# Altium PCB GE21_M1_pku_f100.PcbDoc (part 6 of 19)
Units mm, origin at the board's own origin, x right, y up, seen from the top; angles counter-clockwise.
Board outline 423.9 x 668.59 mm, 8 copper layers (Top Layer, Signal 1, DGNG1, POWER, AGND, DGND2, Signal 2, Bottom Layer), stack 1.03 mm thick; 171 components, 336 nets, 2040 pads, 4872 vias.
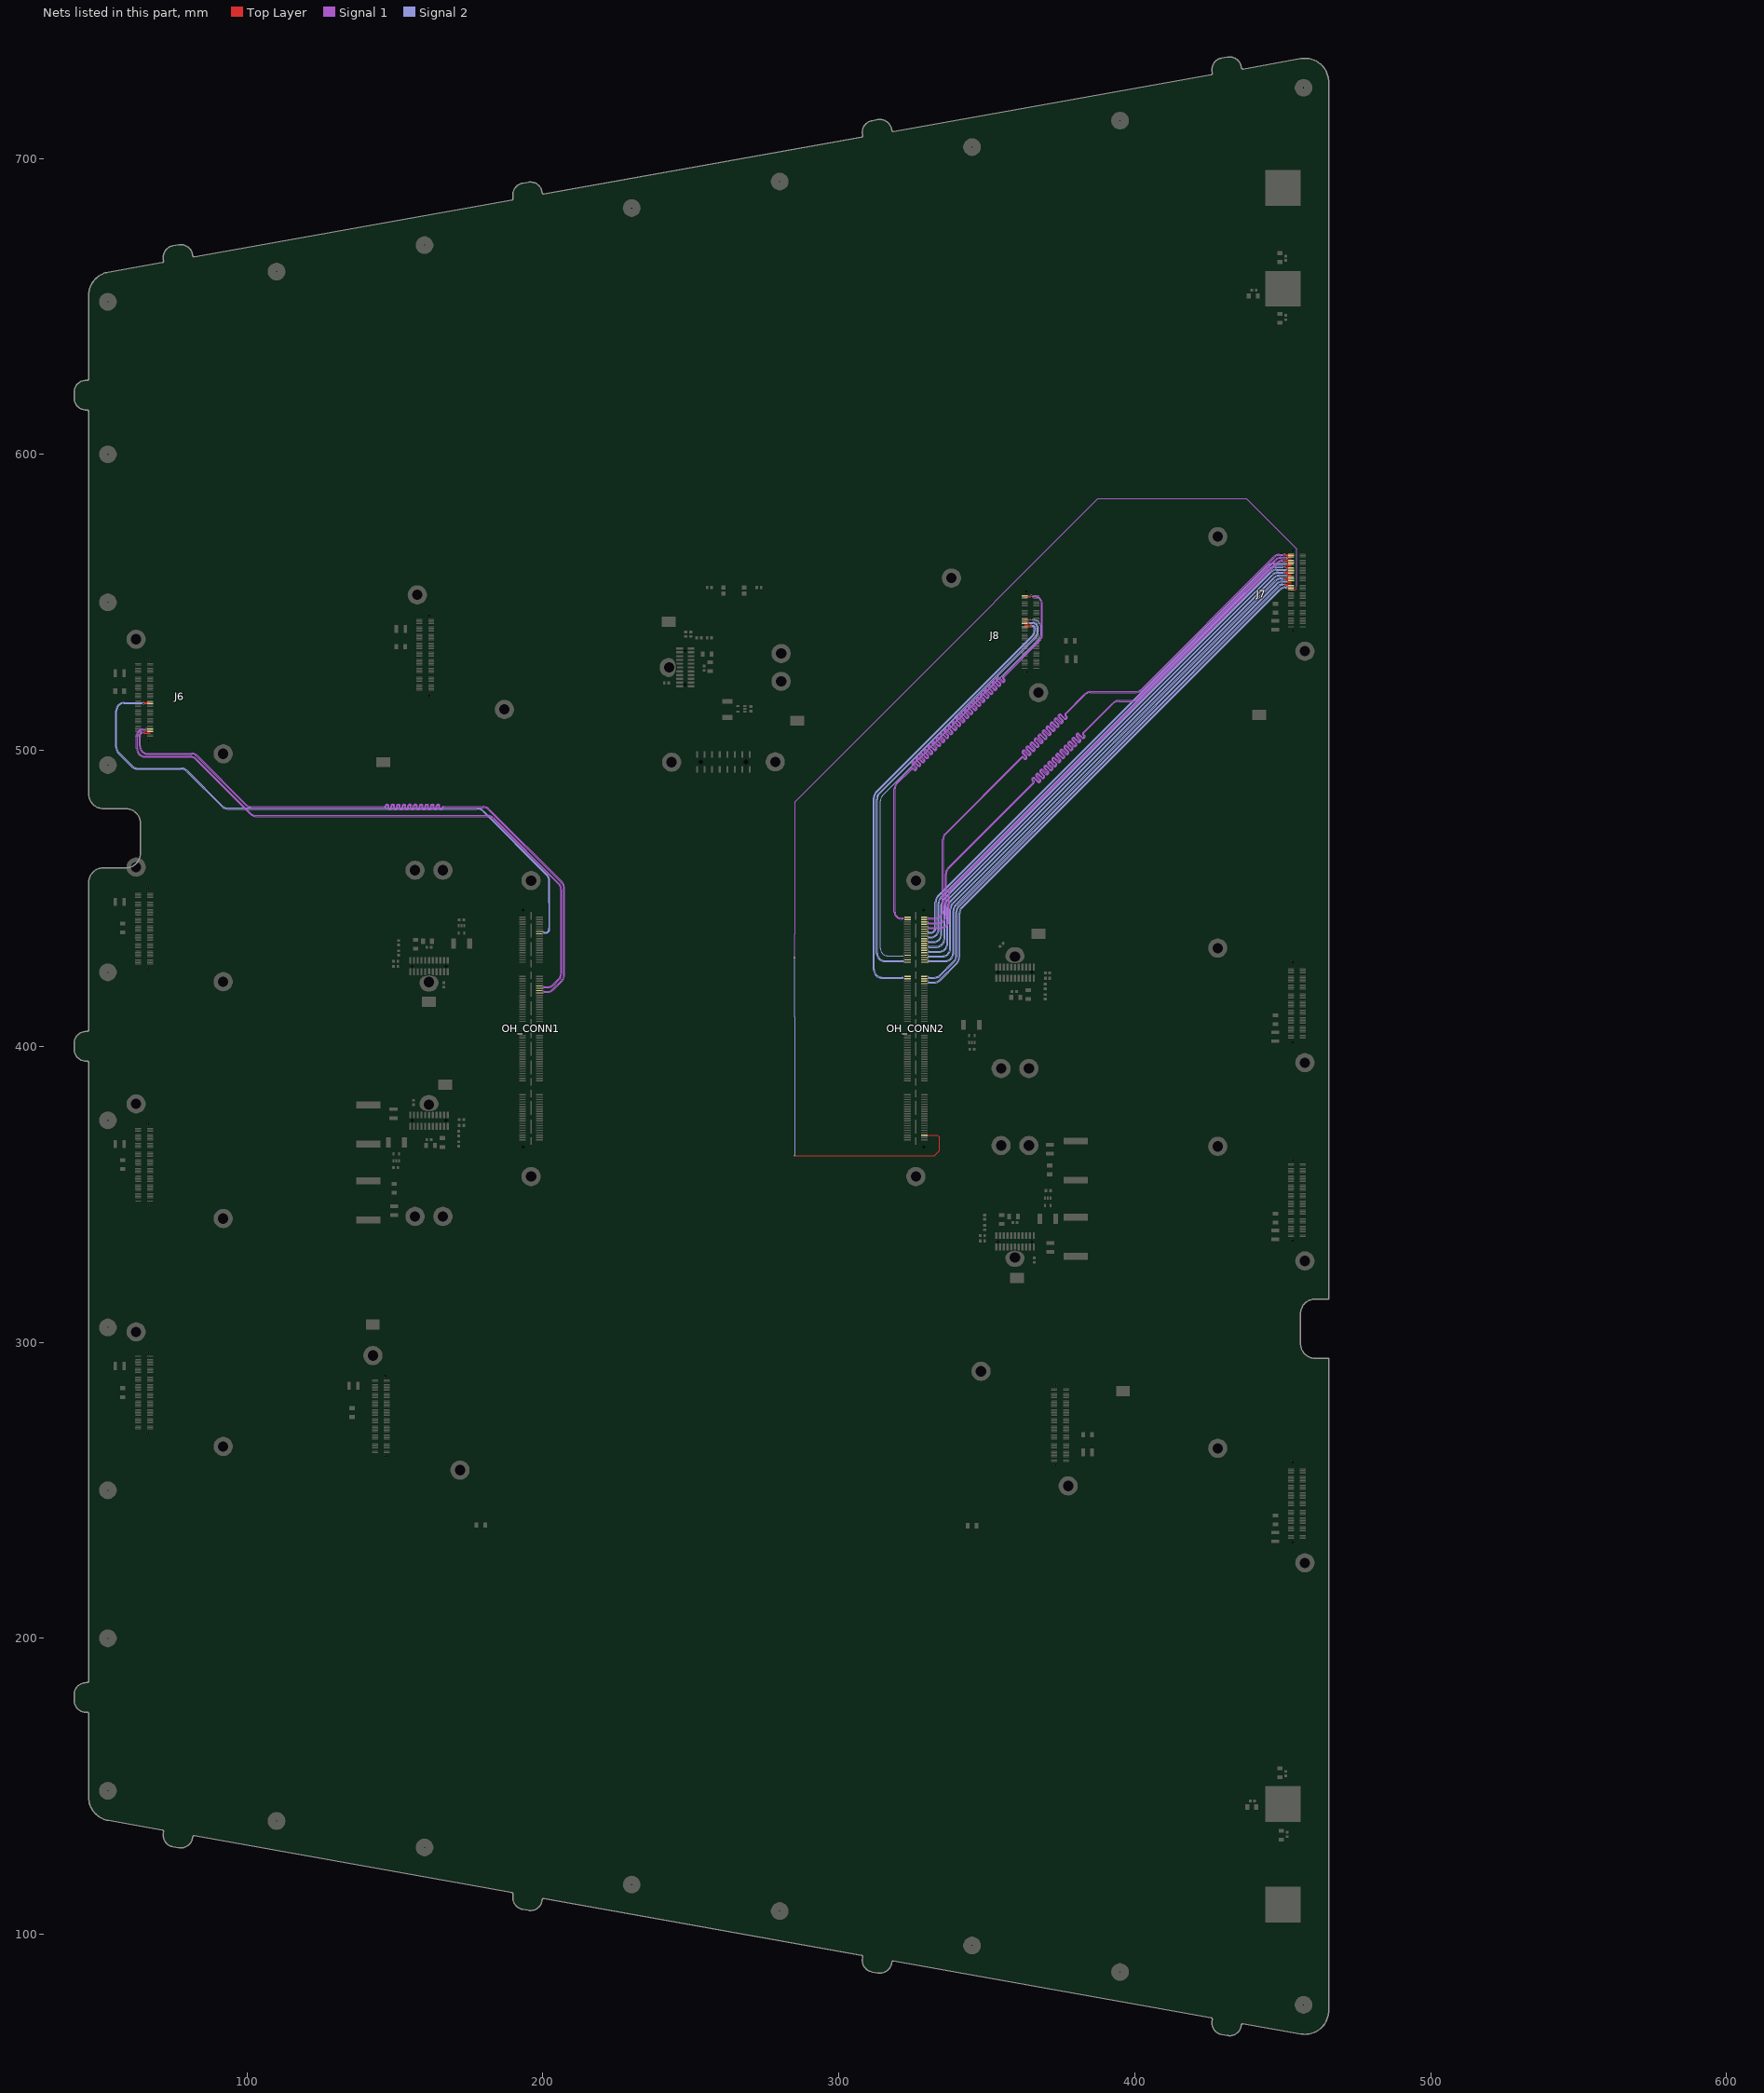
[diagram p12: the nets of this part, all layers, seen from the top]

## Via types
v1: diameter 0.508, hole 0.203, Top Layer to Bottom Layer, tented both sides, 1688 vias
v2: diameter 0.402/0.402/0.402/0.201 (per signal layer), hole 0.201, Top Layer to Bottom Layer, tented both sides, 1040 vias
v3: diameter 0.507, hole 0.202, Top Layer to Bottom Layer, tented both sides, 780 vias
v4: diameter 0.4, hole 0, Top Layer to Bottom Layer, tented both sides, 438 vias
v5: diameter 0.4, hole 0.2, Top Layer to Bottom Layer, tented both sides, 288 vias
v6: diameter 0.51, hole 0.204, Top Layer to Bottom Layer, tented both sides, 288 vias
v7: diameter 0.6/0.4/0.4/0.4 (per signal layer), hole 0.3, Top Layer to Bottom Layer, tented both sides, 254 vias
v8: diameter 0.402, hole 0.201, Top Layer to Bottom Layer, tented both sides, 96 vias

## Nets (pads, with @x,y where several pads share a name; then routed paths per layer and width w, separated by ;. In a path a pad name is that pad's centre, name@x,y a point inside that pad or via, vN(x,y) a via of type N, cw(c..) or ccw(c..) an arc to the next point about the centre after c; other vN are vias at no path point) (continued)
J6RXD_N: J6.96 OH_CONN1.55 | length 234.6
  Top Layer w0.115: v4@65,505.7 cw(c65.302,505.398) 65.302,505.825 66.125,505.825 66.2,505.75 J6.96@67.25,505.75
  Signal 1 w0.115: v4@65,505.7 ccw(c64.698,505.398) 64.698,505.825 64.5,505.825 ccw(c64.5,505.325) 64,505.325 64,501.5 ccw(c66.5,501.5) 66.5,499 81.298,499 cw(c81.298,496.11) 83.341,498.154 99.751,481.744 ccw(c101.547,483.54) 101.547,481 146.482,481 ccw(c146.482,481.204) 146.686,481.204 cw(c147.244,481.204) 147.244,481.762 147.436,481.762 cw(c147.436,481.204) 147.994,481.204 147.994,480.446 ccw(c148.202,480.446) 148.202,480.238 148.394,480.238 ccw(c148.394,480.446) 148.602,480.446 148.602,481.204 cw(c149.16,481.204) 149.16,481.762 149.352,481.762 cw(c149.352,481.204) 149.91,481.204 149.91,480.446 ccw(c150.118,480.446) 150.118,480.238 150.31,480.238 ccw(c150.31,480.446) 150.518,480.446 150.518,481.204 cw(c151.076,481.204) 151.076,481.762 151.268,481.762 cw(c151.268,481.204) 151.826,481.204 151.826,480.446 ccw(c152.034,480.446) 152.034,480.238 152.226,480.238 ccw(c152.226,480.446) 152.434,480.446 152.434,481.204 cw(c152.992,481.204) 152.992,481.762 153.184,481.762 cw(c153.184,481.204) 153.742,481.204 153.742,480.446 ccw(c153.95,480.446) 153.95,480.238 154.142,480.238 ccw(c154.142,480.446) 154.35,480.446 154.35,481.204 cw(c154.908,481.204) 154.908,481.762 155.1,481.762 cw(c155.1,481.204) 155.658,481.204 155.658,480.446 ccw(c155.866,480.446) 155.866,480.238 156.058,480.238 ccw(c156.058,480.446) 156.266,480.446 156.266,481.204 cw(c156.824,481.204) 156.824,481.762 157.016,481.762 cw(c157.016,481.204) 157.574,481.204 157.574,480.446 ccw(c157.782,480.446) 157.782,480.238 157.974,480.238 ccw(c157.974,480.446) 158.182,480.446 158.182,481.204 cw(c158.74,481.204) 158.74,481.762 158.932,481.762 cw(c158.932,481.204) 159.49,481.204 159.49,480.446 ccw(c159.698,480.446) 159.698,480.238 159.89,480.238 ccw(c159.89,480.446) 160.098,480.446 160.098,481.204 cw(c160.656,481.204) 160.656,481.762 160.848,481.762 cw(c160.848,481.204) 161.406,481.204 161.406,480.446 ccw(c161.614,480.446) 161.614,480.238 161.806,480.238 ccw(c161.806,480.446) 162.014,480.446 162.014,481.204 cw(c162.572,481.204) 162.572,481.762 162.764,481.762 cw(c162.764,481.204) 163.322,481.204 163.322,480.446 ccw(c163.53,480.446) 163.53,480.238 163.722,480.238 ccw(c163.722,480.446) 163.93,480.446 163.93,481.204 cw(c164.488,481.204) 164.488,481.762 164.68,481.762 cw(c164.68,481.204) 165.238,481.204 165.238,480.446 ccw(c165.446,480.446) 165.446,480.238 165.638,480.238 ccw(c165.638,480.446) 165.846,480.446 cw(c166.4,480.446) 166.4,481 179.798,481 cw(c179.798,478.11) 181.841,480.154 206.504,455.491 cw(c204.46,453.448) 207.35,453.448 207.35,424.052 cw(c204.46,424.052) 206.504,422.009 203.566,419.071 cw(c201.523,421.115) 201.523,418.225 200.543,418.225 ccw(c200.543,417.457) v6(200,418)
  other v4: 64.93,505.7 65.07,505.7
  other v5: 65,505.7
J6RXD_P: J6.94 OH_CONN1.53 | length 234.6
  Top Layer w0.115: v5(65,506.3) ccw(c65.302,506.602) 65.302,506.175 66.125,506.175 66.2,506.25 J6.94@67.25,506.25
  Signal 1 w0.115: v4@65,506.3 cw(c64.698,506.602) 64.698,506.175 64.5,506.175 ccw(c64.5,505.325) 63.65,505.325 63.65,501.5 ccw(c66.5,501.5) 66.5,498.65 81.298,498.65 cw(c81.298,496.11) 83.094,497.906 99.504,481.496 ccw(c101.547,483.54) 101.547,480.65 146.482,480.65 ccw(c146.482,481.204) 147.036,481.204 cw(c147.244,481.204) 147.244,481.412 147.436,481.412 cw(c147.436,481.204) 147.644,481.204 147.644,480.446 ccw(c148.202,480.446) 148.202,479.888 148.394,479.888 ccw(c148.394,480.446) 148.952,480.446 148.952,481.204 cw(c149.16,481.204) 149.16,481.412 149.352,481.412 cw(c149.352,481.204) 149.56,481.204 149.56,480.446 ccw(c150.118,480.446) 150.118,479.888 150.31,479.888 ccw(c150.31,480.446) 150.868,480.446 150.868,481.204 cw(c151.076,481.204) 151.076,481.412 151.268,481.412 cw(c151.268,481.204) 151.476,481.204 151.476,480.446 ccw(c152.034,480.446) 152.034,479.888 152.226,479.888 ccw(c152.226,480.446) 152.784,480.446 152.784,481.204 cw(c152.992,481.204) 152.992,481.412 153.184,481.412 cw(c153.184,481.204) 153.392,481.204 153.392,480.446 ccw(c153.95,480.446) 153.95,479.888 154.142,479.888 ccw(c154.142,480.446) 154.7,480.446 154.7,481.204 cw(c154.908,481.204) 154.908,481.412 155.1,481.412 cw(c155.1,481.204) 155.308,481.204 155.308,480.446 ccw(c155.866,480.446) 155.866,479.888 156.058,479.888 ccw(c156.058,480.446) 156.616,480.446 156.616,481.204 cw(c156.824,481.204) 156.824,481.412 157.016,481.412 cw(c157.016,481.204) 157.224,481.204 157.224,480.446 ccw(c157.782,480.446) 157.782,479.888 157.974,479.888 ccw(c157.974,480.446) 158.532,480.446 158.532,481.204 cw(c158.74,481.204) 158.74,481.412 158.932,481.412 cw(c158.932,481.204) 159.14,481.204 159.14,480.446 ccw(c159.698,480.446) 159.698,479.888 159.89,479.888 ccw(c159.89,480.446) 160.448,480.446 160.448,481.204 cw(c160.656,481.204) 160.656,481.412 160.848,481.412 cw(c160.848,481.204) 161.056,481.204 161.056,480.446 ccw(c161.614,480.446) 161.614,479.888 161.806,479.888 ccw(c161.806,480.446) 162.364,480.446 162.364,481.204 cw(c162.572,481.204) 162.572,481.412 162.764,481.412 cw(c162.764,481.204) 162.972,481.204 162.972,480.446 ccw(c163.53,480.446) 163.53,479.888 163.722,479.888 ccw(c163.722,480.446) 164.28,480.446 164.28,481.204 cw(c164.488,481.204) 164.488,481.412 164.68,481.412 cw(c164.68,481.204) 164.888,481.204 164.888,480.446 ccw(c165.446,480.446) 165.446,479.888 165.638,479.888 ccw(c165.638,480.446) 166.196,480.446 cw(c166.4,480.446) 166.4,480.65 179.798,480.65 cw(c179.798,478.11) 181.594,479.906 206.256,455.244 cw(c204.46,453.448) 207,453.448 207,424.052 cw(c204.46,424.052) 206.256,422.256 203.319,419.319 cw(c201.523,421.115) 201.523,418.575 200.543,418.575 cw(c200.543,419.343) v6(200,418.8)
  other v4: 64.93,506.3 65.07,506.3
J6Strobe_N: J6.56 OH_CONN1.15 | length 210.2
  Top Layer w0.115: v5(65,515.7) cw(c65.302,515.398) 65.302,515.825 66.125,515.825 66.2,515.75 J6.56@67.25,515.75
  Signal 2 w0.115: v5(65,515.7) ccw(c64.698,515.398) 64.698,515.825 58.54,515.825 ccw(c58.54,513.285) 56,513.285 56,501.052 ccw(c58.54,501.052) 56.744,499.256 61.256,494.744 ccw(c63.052,496.54) 63.052,494 77.803,494 cw(c77.803,491.11) 79.846,493.154 91.756,481.244 ccw(c93.552,483.04) 93.552,480.5 177.798,480.5 cw(c177.798,477.61) 179.841,479.654 201.504,457.991 cw(c199.46,455.948) 202.35,455.948 202.35,448.5 202.35,439.575 cw(c201,439.575) 201,438.225 200.543,438.225 ccw(c200.543,437.457) v6(200,438)
  other v4: 64.93,515.7 65.07,515.7
J6Strobe_P: J6.54 OH_CONN1.13 | length 210.2
  Top Layer w0.115: v5(65,516.3) ccw(c65.302,516.602) 65.302,516.175 66.125,516.175 66.2,516.25 J6.54@67.25,516.25
  Signal 2 w0.115: v5(65,516.3) cw(c64.698,516.602) 64.698,516.175 58.54,516.175 ccw(c58.54,513.285) 55.65,513.285 55.65,501.052 ccw(c58.54,501.052) 56.496,499.009 61.009,494.496 ccw(c63.052,496.54) 63.052,493.65 77.803,493.65 cw(c77.803,491.11) 79.599,492.906 91.509,480.996 ccw(c93.552,483.04) 93.552,480.15 177.798,480.15 cw(c177.798,477.61) 179.594,479.406 201.256,457.744 cw(c199.46,455.948) 202,455.948 202,448.5 202,440 202,439.575 cw(c201,439.575) 201,438.575 200.543,438.575 cw(c200.543,439.343) v6(200,438.8)
  other v4: 64.93,516.3 65.07,516.3
J6TXD_N: J6.92 OH_CONN1.51 | length 210.7
  Top Layer w0.25: v5(66,506.7) 66.05,506.75 J6.92@67.25,506.75
  Signal 1 w0.115: v5(66,506.7) ccw(c65.698,506.398) 65.698,506.825 64.825,506.825 ccw(c64.825,505) 63,505 63,500.54 ccw(c65.54,500.54) 65.54,498 80.798,498 cw(c80.798,495.11) 82.841,497.154 101.251,478.744 ccw(c103.047,480.54) 103.047,478 181.298,478 cw(c181.298,475.11) 183.341,477.154 ; 183.341,477.154 205.504,454.991 cw(c203.46,452.948) 206.35,452.948 206.35,424.552 cw(c203.46,424.552) 205.504,422.509 203.666,420.671 cw(c201.623,422.715) 201.623,419.825 200.543,419.825 ccw(c200.543,419.057) v6(200,419.6)
  other v4: 65.93,506.7
J6TXD_P: J6.90 OH_CONN1.49 | length 210.7
  Top Layer w0.25: v5(66,507.3) 66.05,507.25 J6.90@67.25,507.25
  Signal 1 w0.115: v5(66,507.3) cw(c65.698,507.602) 65.698,507.175 64.825,507.175 ccw(c64.825,505) 62.65,505 62.65,500.54 ccw(c65.54,500.54) 65.54,497.65 80.798,497.65 cw(c80.798,495.11) 82.594,496.906 101.004,478.496 ccw(c103.047,480.54) 103.047,477.65 181.298,477.65 cw(c181.298,475.11) 183.094,476.906 205.256,454.744 cw(c203.46,452.948) 206,452.948 206,424.552 cw(c203.46,424.552) 205.256,422.756 203.419,420.919 cw(c201.623,422.715) 201.623,420.175 200.543,420.175 cw(c200.543,420.943) v6(200,420.4)
  other v4: 65.93,507.3
J7CLK_N: J7.100 OH_CONN2.160 | length 234.5
  Top Layer w0.115: v5(450.5,566.3) ccw(c450.802,566.602) 450.802,566.175 451.625,566.175 451.7,566.25 J7.100@452.75,566.25
  Signal 1 w0.115: v6(330,443.6) ccw(c330.543,444.143) 330.543,443.375 332.46,443.375 ccw(c332.46,445.915) 335,445.915 335,469.798 cw(c337.89,469.798) 335.846,471.841 361.667,497.662 cw(c362.062,497.268) 362.457,497.662 362.813,497.306 ccw(c362.96,497.453) 363.107,497.306 363.243,497.442 ccw(c363.095,497.589) 363.304,497.589 ccw(c363.095,497.589) 363.243,497.736 361.989,498.99 cw(c362.383,499.385) 361.989,499.78 362.124,499.915 cw(c362.519,499.52) 362.913,499.915 364.168,498.661 ccw(c364.315,498.808) 364.462,498.661 ; 364.462,498.661 364.598,498.796 ccw(c364.45,498.944) 364.659,498.944 ccw(c364.45,498.944) 364.598,499.091 363.343,500.345 cw(c363.738,500.74) 363.343,501.134 363.479,501.27 cw(c363.874,500.875) 364.268,501.27 365.522,500.016 ccw(c365.67,500.163) 365.817,500.016 365.952,500.151 ccw(c365.805,500.298) 366.013,500.298 ccw(c365.805,500.298) 365.952,500.446 364.698,501.7 cw(c365.093,502.095) 364.698,502.489 364.834,502.625 cw(c365.228,502.23) 365.623,502.625 366.877,501.371 ccw(c367.024,501.518) 367.172,501.371 367.307,501.506 ccw(c367.16,501.653) 367.368,501.653 ccw(c367.16,501.653) 367.307,501.801 366.053,503.055 cw(c366.448,503.449) 366.053,503.844 366.188,503.979 cw(c366.583,503.585) 366.978,503.98 368.232,502.725 ccw(c368.379,502.873) 368.527,502.725 368.662,502.861 ccw(c368.515,503.008) 368.723,503.008 ccw(c368.515,503.008) 368.662,503.155 367.408,504.409 cw(c367.803,504.804) 367.408,505.199 367.543,505.334 cw(c367.938,504.94) 368.333,505.334 369.587,504.08 ccw(c369.734,504.227) 369.881,504.08 370.017,504.216 ccw(c369.87,504.363) 370.078,504.363 ccw(c369.87,504.363) 370.017,504.51 368.763,505.764 cw(c369.157,506.159) 368.763,506.554 368.898,506.689 cw(c369.293,506.294) 369.688,506.689 370.942,505.435 ccw(c371.089,505.582) 371.236,505.435 371.372,505.571 ccw(c371.224,505.718) 371.433,505.718 ccw(c371.224,505.718) 371.372,505.865 370.117,507.119 cw(c370.512,507.514) 370.117,507.909 370.253,508.044 cw(c370.648,507.649) 371.042,508.044 372.297,506.79 ccw(c372.444,506.937) 372.591,506.79 372.726,506.925 ccw(c372.579,507.073) 372.787,507.073 ccw(c372.579,507.073) 372.726,507.22 371.472,508.474 cw(c371.867,508.869) 371.472,509.263 371.608,509.399 cw(c372.002,509.004) 372.397,509.399 373.651,508.145 ccw(c373.799,508.292) 373.946,508.145 374.081,508.28 ccw(c373.934,508.427) 374.142,508.427 ccw(c373.934,508.427) 374.081,508.575 372.827,509.829 cw(c373.222,510.223) 372.827,510.618 372.963,510.754 cw(c373.357,510.359) 373.752,510.754 375.006,509.499 ccw(c375.153,509.647) 375.301,509.499 375.436,509.635 ccw(c375.289,509.782) 375.497,509.782 ccw(c375.289,509.782) 375.436,509.929 374.182,511.184 cw(c374.577,511.578) 374.182,511.973 374.317,512.108 cw(c374.712,511.714) 375.107,512.108 376.361,510.854 ccw(c376.508,511.002) 376.655,510.854 376.791,510.99 ccw(c376.644,511.137) 376.852,511.137 ccw(c376.644,511.137) 376.791,511.284 376.435,511.64 cw(c376.829,512.035) 376.435,512.43 383.009,519.004 cw(c385.052,516.96) 385.052,519.85 400.303,519.85 ccw(c400.303,522.39) 400.928,519.928 ccw(c400.303,522.39) 402.099,520.594 446.834,565.329 cw(c448.877,563.285) 448.877,566.175 450.198,566.175 ccw(c450.198,566.602) v5(450.5,566.3)
  other v4: 450.43,566.3 450.57,566.3
J7CLK_P: J7.98 OH_CONN2.158 | length 234.5
  Top Layer w0.115: v5(450.5,565.7) cw(c450.802,565.398) 450.802,565.825 451.625,565.825 451.7,565.75 J7.98@452.75,565.75
  Signal 1 w0.115: v6(330,442.8) cw(c330.543,442.257) 330.543,443.025 332.46,443.025 ccw(c332.46,445.915) 335.35,445.915 335.35,469.798 cw(c337.89,469.798) 336.094,471.594 361.915,497.415 cw(c362.062,497.268) 362.209,497.415 362.565,497.059 ccw(c362.96,497.453) 363.355,497.059 363.49,497.194 ccw(c363.095,497.589) 363.654,497.589 ccw(c363.095,497.589) 363.49,497.984 362.236,499.238 cw(c362.383,499.385) 362.236,499.532 362.372,499.668 cw(c362.519,499.52) 362.666,499.668 363.92,498.413 ccw(c364.315,498.808) 364.71,498.413 364.845,498.549 ccw(c364.45,498.944) 365.009,498.944 ccw(c364.45,498.944) 364.845,499.338 363.591,500.593 cw(c363.738,500.74) 363.591,500.887 363.726,501.022 cw(c363.874,500.875) 364.021,501.022 365.275,499.768 ccw(c365.67,500.163) 366.064,499.768 366.2,499.904 ccw(c365.805,500.298) 366.363,500.298 ccw(c365.805,500.298) 366.2,500.693 364.946,501.947 cw(c365.093,502.095) 364.946,502.242 365.081,502.377 cw(c365.228,502.23) 365.376,502.377 366.63,501.123 ccw(c367.024,501.518) 367.419,501.123 367.555,501.258 ccw(c367.16,501.653) 367.718,501.653 ccw(c367.16,501.653) 367.555,502.048 366.301,503.302 cw(c366.448,503.449) 366.301,503.597 366.436,503.732 cw(c366.583,503.585) 366.73,503.732 367.985,502.478 ccw(c368.379,502.873) 368.774,502.478 368.909,502.613 ccw(c368.515,503.008) 369.073,503.008 ccw(c368.515,503.008) 368.909,503.403 367.655,504.657 cw(c367.803,504.804) 367.655,504.951 367.791,505.087 cw(c367.938,504.94) 368.085,505.087 369.339,503.833 ccw(c369.734,504.227) 370.129,503.833 370.264,503.968 ccw(c369.87,504.363) 370.428,504.363 ccw(c369.87,504.363) 370.264,504.758 369.01,506.012 cw(c369.157,506.159) 369.01,506.306 369.146,506.442 cw(c369.293,506.294) 369.44,506.442 370.694,505.188 ccw(c371.089,505.582) 371.484,505.188 371.619,505.323 ccw(c371.224,505.718) 371.783,505.718 ccw(c371.224,505.718) 371.619,506.112 370.365,507.367 cw(c370.512,507.514) 370.365,507.661 370.5,507.797 cw(c370.648,507.649) 370.795,507.797 372.049,506.542 ccw(c372.444,506.937) 372.838,506.542 372.974,506.678 ccw(c372.579,507.073) 373.137,507.073 ccw(c372.579,507.073) 372.974,507.467 371.72,508.721 cw(c371.867,508.869) 371.72,509.016 371.855,509.151 cw(c372.002,509.004) 372.15,509.151 373.404,507.897 ccw(c373.799,508.292) 374.193,507.897 374.329,508.033 ccw(c373.934,508.427) 374.492,508.427 ccw(c373.934,508.427) 374.329,508.822 373.075,510.076 cw(c373.222,510.223) 373.075,510.371 373.21,510.506 cw(c373.357,510.359) 373.505,510.506 374.759,509.252 ccw(c375.153,509.647) 375.548,509.252 375.684,509.387 ccw(c375.289,509.782) 375.847,509.782 ccw(c375.289,509.782) 375.684,510.177 374.429,511.431 cw(c374.577,511.578) 374.429,511.725 374.565,511.861 cw(c374.712,511.714) 374.859,511.861 376.113,510.607 ccw(c376.508,511.002) 376.903,510.607 377.038,510.742 ; 377.038,510.742 ccw(c376.644,511.137) 377.202,511.137 ccw(c376.644,511.137) 377.038,511.532 376.682,511.888 cw(c376.829,512.035) 376.682,512.182 383.256,518.756 cw(c385.052,516.96) 385.052,519.5 400.303,519.5 ccw(c400.303,522.39) 401.11,519.615 ccw(c400.303,522.39) 402.346,520.346 ; 402.346,520.346 447.081,565.081 cw(c448.877,563.285) 448.877,565.825 450.198,565.825 cw(c450.198,565.398) v5(450.5,565.7)
  other v4: 450.43,565.7 450.57,565.7
J7D1_N: J7.60 OH_CONN2.120 | length 187.4
  Top Layer w0.115: v5(450.5,556.3) ccw(c450.802,556.602) 450.802,556.175 451.625,556.175 451.7,556.25 J7.60@452.75,556.25
  Signal 2 w0.115: v6(330,423.6) ccw(c330.543,424.143) 330.543,423.375 332.323,423.375 ccw(c332.323,425.915) 334.119,424.119 338.756,428.756 ccw(c336.96,430.552) 339.5,430.552 339.5,445.298 cw(c342.39,445.298) 340.346,447.341 391.253,498.247 448.6,555.595 cw(c450,554.195) 450,556.175 450.198,556.175 ccw(c450.198,556.602) v5(450.5,556.3)
  other v4: 450.43,556.3 450.57,556.3
J7D1_P: J7.58 OH_CONN2.118 | length 187.4
  Top Layer w0.115: v5(450.5,555.7) cw(c450.802,555.398) 450.802,555.825 451.625,555.825 451.7,555.75 J7.58@452.75,555.75
  Signal 2 w0.115: v6(330,422.8) cw(c330.543,422.257) 330.543,423.025 332.323,423.025 ccw(c332.323,425.915) 334.366,423.871 339.004,428.509 ccw(c336.96,430.552) 339.85,430.552 339.85,445.298 cw(c342.39,445.298) 340.594,447.094 448.848,555.348 cw(c450,554.195) 450,555.825 450.198,555.825 cw(c450.198,555.398) v5(450.5,555.7)
  other v4: 450.43,555.7 450.57,555.7
J7D2_N: J7.64 OH_CONN2.124 | length 185.2
  Top Layer w0.25: v5(451.5,557.3) 451.55,557.25 J7.64@452.75,557.25
  Signal 2 w0.115: v6(330,429.2) ccw(c330.543,429.743) 330.543,428.975 335.96,428.975 ccw(c335.96,431.515) 338.5,431.515 338.5,445.798 cw(c341.39,445.798) 339.346,447.841 447.834,556.329 ; 447.834,556.329 cw(c449.877,554.285) 449.877,557.175 451.198,557.175 ccw(c451.198,557.602) v5(451.5,557.3)
  other v4: 451.43,557.3
J7D2_P: J7.62 OH_CONN2.122 | length 185.2
  Top Layer w0.25: v5(451.5,556.7) 451.55,556.75 J7.62@452.75,556.75
  Signal 2 w0.115: v6(330,428.4) cw(c330.543,427.857) 330.543,428.625 335.96,428.625 ccw(c335.96,431.515) 338.85,431.515 338.85,445.798 cw(c341.39,445.798) 339.594,447.594 366.5,474.5 448.081,556.081 cw(c449.877,554.285) 449.877,556.825 451.198,556.825 cw(c451.198,556.398) v5(451.5,556.7)
  other v4: 451.43,556.7
J7D3_N: J7.68 OH_CONN2.128 | length 184.3
  Top Layer w0.115: v5(450.5,558.3) ccw(c450.802,558.602) 450.802,558.175 451.625,558.175 451.7,558.25 J7.68@452.75,558.25
  Signal 2 w0.115: v6(330,430.8) ccw(c330.543,431.343) 330.543,430.575 334.96,430.575 ccw(c334.96,433.115) 337.5,433.115 337.5,446.298 cw(c340.39,446.298) 338.346,448.341 447.334,557.329 ; 447.334,557.329 cw(c449.377,555.285) 449.377,558.175 450.198,558.175 ccw(c450.198,558.602) v5(450.5,558.3)
  other v4: 450.43,558.3 450.57,558.3
J7D3_P: J7.66 OH_CONN2.126 | length 184.3
  Top Layer w0.115: v5(450.5,557.7) cw(c450.802,557.398) 450.802,557.825 451.625,557.825 451.7,557.75 J7.66@452.75,557.75
  Signal 2 w0.115: v6(330,430) cw(c330.543,429.457) 330.543,430.225 334.96,430.225 ccw(c334.96,433.115) 337.85,433.115 337.85,446.298 cw(c340.39,446.298) 338.594,448.094 447.581,557.081 cw(c449.377,555.285) 449.377,557.825 450.198,557.825 cw(c450.198,557.398) v5(450.5,557.7)
  other v4: 450.43,557.7 450.57,557.7
J7D4_N: J7.72 OH_CONN2.132 | length 183.4
  Top Layer w0.25: v5(451.5,559.3) 451.55,559.25 J7.72@452.75,559.25
  Signal 2 w0.115: v6(330,432.4) ccw(c330.543,432.943) 330.543,432.175 333.96,432.175 ccw(c333.96,434.715) 336.5,434.715 336.5,446.798 cw(c339.39,446.798) 337.346,448.841 446.834,558.329 cw(c448.877,556.285) 448.877,559.175 451.198,559.175 ccw(c451.198,559.602) v5(451.5,559.3)
  other v4: 451.43,559.3
J7D4_P: J7.70 OH_CONN2.130 | length 183.4
  Top Layer w0.25: v5(451.5,558.7) 451.55,558.75 J7.70@452.75,558.75
  Signal 2 w0.115: v6(330,431.6) cw(c330.543,431.057) 330.543,431.825 333.96,431.825 ccw(c333.96,434.715) 336.85,434.715 336.85,446.798 cw(c339.39,446.798) 337.594,448.594 397,508 447.081,558.081 cw(c448.877,556.285) 448.877,558.825 451.198,558.825 cw(c451.198,558.398) v5(451.5,558.7)
  other v4: 451.43,558.7